# Altium PCB e-puck3-coreboard.PcbDoc (part 5 of 7)
Units mm, origin at the board's own origin, x right, y up, seen from the top; angles counter-clockwise.
Board outline 42.5 x 39.5 mm, 10 copper layers (Top Layer, Top GND Plane, Top Mid Layer 1, Top Mid Layer 2, Mid GND Plane, Bot Mid Layer 3, Bot Mid Layer 2, Bot Mid Layer 1, Bot GND Plane, Bottom Layer), stack 1.366 mm thick; 292 components, 337 nets, 1581 pads, 7018 vias.
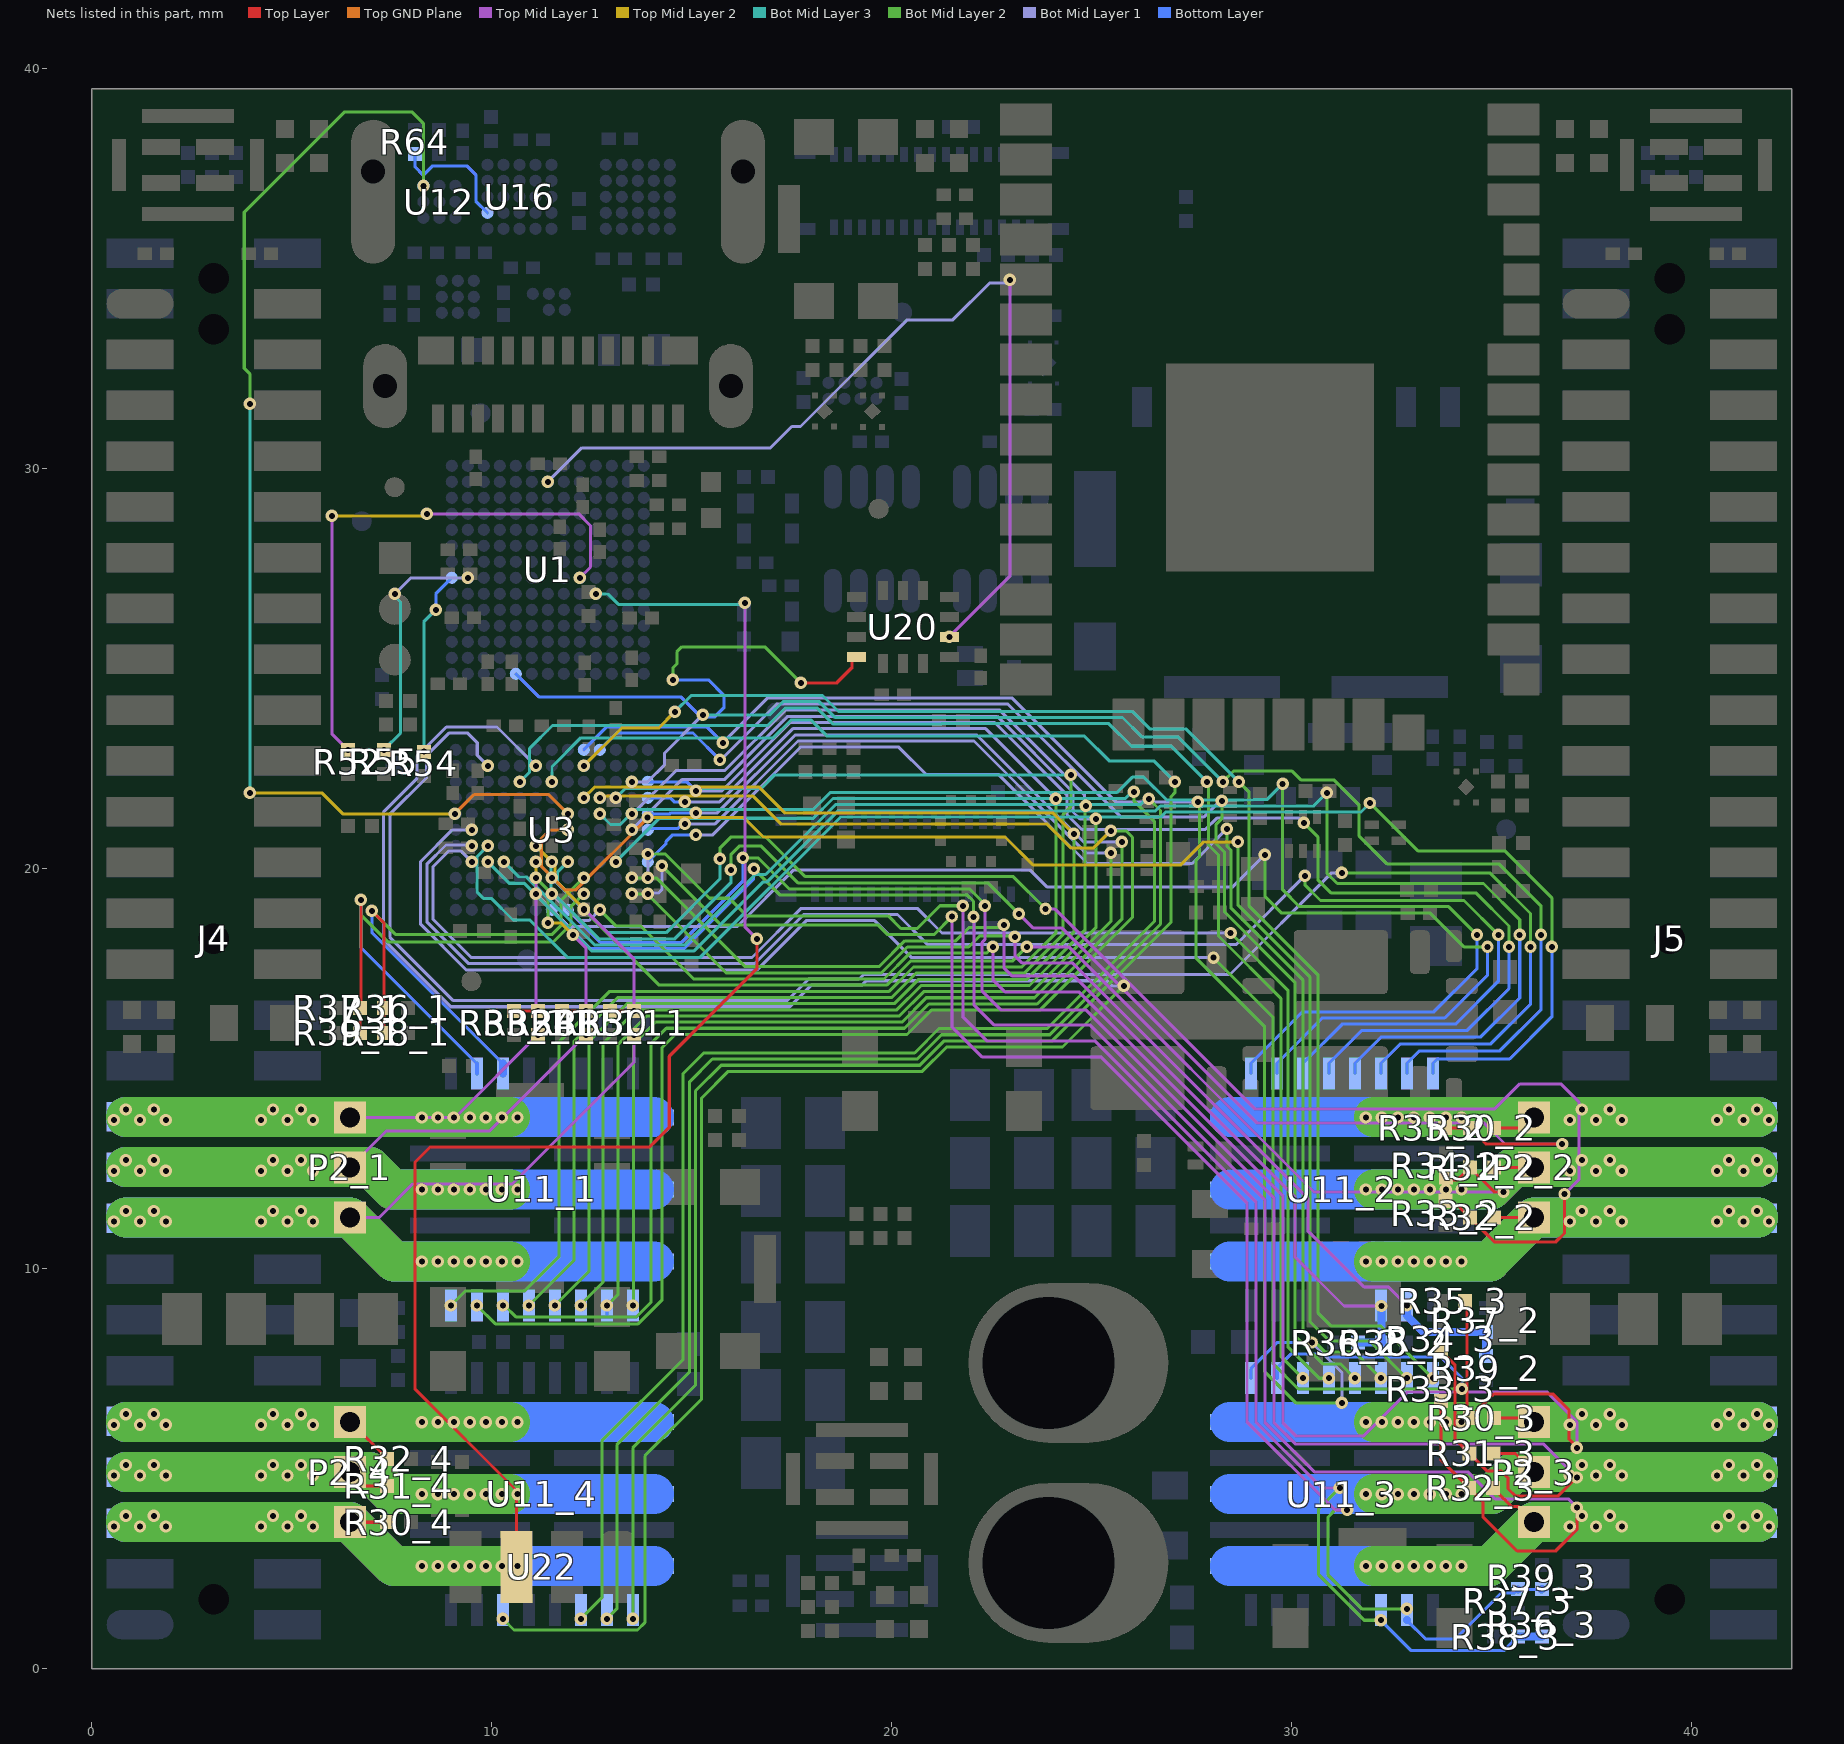
[diagram p13: the nets of this part, all layers, seen from the top]

## Via types
v1: diameter 0.304, hole 0.15, Bot GND Plane to Bottom Layer, 1160 vias
v2: diameter 0.304, hole 0.15, Bot Mid Layer 1 to Bot GND Plane, 1106 vias
v3: diameter 0.304, hole 0.15, Bot Mid Layer 2 to Bot Mid Layer 1, 1042 vias
v4: diameter 0.304, hole 0.15, Bot Mid Layer 3 to Bot Mid Layer 2, 765 vias
v5: diameter 0.304, hole 0.15, Mid GND Plane to Bot Mid Layer 3, 706 vias
v6: diameter 0.304, hole 0.15, Top Mid Layer 2 to Mid GND Plane, 706 vias
v7: diameter 0.304, hole 0.15, Top Mid Layer 1 to Top Mid Layer 2, 585 vias
v8: diameter 0.304, hole 0.15, Top GND Plane to Top Mid Layer 1, 493 vias
v9: diameter 0.304, hole 0.15, Top Layer to Top GND Plane, 343 vias
v10: diameter 0.304/0.15/0.15/0.15/0.15/0.15/0.15/0.15/0.15/0.304 (per signal layer), hole 0.15, Top Layer to Bottom Layer, 39 vias
v11: diameter 0.304/0.304/0.15/0.15/0.304/0.15/0.15/0.15/0.304/0.304 (per signal layer), hole 0.15, Top Layer to Bottom Layer, 38 vias
v12: diameter 0.304/0.15/0.304/0.15/0.304/0.304/0.15/0.15/0.304/0.304 (per signal layer), hole 0.15, Top Layer to Bottom Layer, 10 vias
v13: diameter 0.304/0.304/0.15/0.15/0.15/0.15/0.15/0.15/0.15/0.304 (per signal layer), hole 0.15, Top Layer to Bottom Layer, 8 vias
v14: diameter 0.304/0.304/0.15/0.15/0.304/0.15/0.15/0.15/0.15/0.304 (per signal layer), hole 0.15, Top Layer to Bottom Layer, 4 vias
v15: diameter 0.304/0.304/0.15/0.15/0.304/0.15/0.15/0.15/0.304/0.15 (per signal layer), hole 0.15, Top Layer to Bottom Layer, 4 vias
v16: diameter 0.304/0.15/0.304/0.304/0.304/0.304/0.15/0.304/0.304/0.304 (per signal layer), hole 0.15, Top Layer to Bottom Layer, 2 vias
v17: diameter 0.304/0.15/0.15/0.15/0.304/0.15/0.15/0.15/0.304/0.304 (per signal layer), hole 0.15, Top Layer to Bottom Layer, 2 vias
v18: diameter 0.304/0.15/0.15/0.15/0.15/0.15/0.15/0.304/0.15/0.304 (per signal layer), hole 0.15, Top Layer to Bottom Layer, 1 vias
v19: diameter 0.304/0.15/0.304/0.15/0.15/0.304/0.15/0.15/0.15/0.304 (per signal layer), hole 0.15, Top Layer to Bottom Layer, 1 vias
v20: diameter 0.304/0.15/0.15/0.15/0.304/0.15/0.15/0.15/0.15/0.304 (per signal layer), hole 0.15, Top Layer to Bottom Layer, 1 vias
v21: diameter 0.304/0.15/0.15/0.15/0.15/0.15/0.304/0.15/0.15/0.304 (per signal layer), hole 0.15, Top Layer to Bottom Layer, 1 vias
v22: diameter 0.304/0.15/0.304/0.15/0.15/0.15/0.15/0.15/0.15/0.304 (per signal layer), hole 0.15, Top Layer to Bottom Layer, 1 vias

## Nets (pads, with @x,y where several pads share a name; then routed paths per layer and width w, separated by ;. In a path a pad name is that pad's centre, name@x,y a point inside that pad or via, vN(x,y) a via of type N, cw(c..) or ccw(c..) an arc to the next point about the centre after c; other vN are vias at no path point) (continued)
I2C_USB.SDA_1: R64.2 U3.H5 U12.C3 U16.D5 | length 33.8
  Bot Mid Layer 2 w0.077: v4(3.95,31.625) 3.95,32.375 3.811,32.514 3.811,36.416 6.321,38.925 8,38.925 8.289,38.636 v3(8.289,37.075)
  Top GND Plane w0.077: v8(9.075,21.375) 9.562,21.862 11.413,21.862 v7(11.9,21.375)
  Top Mid Layer 2 w0.077: v6(3.95,21.9) 5.75,21.9 6.275,21.375 v8(9.075,21.375)
  Bot Mid Layer 3 w0.077: v6(3.95,21.9) v4(3.95,31.625)
  Bottom Layer w0.077: R64.2@8.075,37.875 8.075,37.557 8.289,37.343 ; v3(8.289,37.075) 8.289,37.343 ; 9.308,37.574 8.521,37.574 8.289,37.343 ; 9.308,37.575 9.375,37.575 9.6,37.35 9.6,36.693 U16.D5@9.893,36.4
  other v1: 11.9,21.375 8.289,37.075
  other v2: 11.9,21.375 8.289,37.075
  other v3: 11.9,21.375
  other v4: 11.9,21.375
  other v5: 11.9,21.375 3.95,21.9
  other v6: 11.9,21.375
  other v7: 9.075,21.375
  other v8: 11.9,21.375
IMU_INT1_1: U1.A5 U20.4 | length 13.6
  Top Layer w0.077: v9(17.725,24.65) 18.625,24.65 19,25.025 19,25.3 U20.4@19.113,25.3
  Bot Mid Layer 2 w0.077: v3(14.525,24.725) 14.525,25.022 14.625,25.122 14.625,25.425 14.75,25.55 16.825,25.55 v9(17.725,24.65)
  Bottom Layer w0.077: U1.A5@10.6,24.875 11.175,24.299 14.726,24.299 15.225,23.8 15.575,23.8 15.8,24.025 15.8,24.341 15.416,24.725 v1@14.5,24.725
  other v1: 14.525,24.725
  other v2: 14.525,24.725
  other v4: 17.725,24.65
  other v5: 17.725,24.65
  other v6: 17.725,24.65
  other v7: 17.725,24.65
  other v8: 17.725,24.65
IMU_INT2_1: U1.N7 U20.9 | length 23.2
  Top Mid Layer 1 w0.077: v9(21.438,25.8) 22.95,27.312 v7(22.95,34.725)
  Bot Mid Layer 1 w0.077: v2(11.4,29.675) 12.25,30.525 16.968,30.525 17.501,31.058 17.719,31.058 20.386,33.725 21.525,33.725 22.443,34.643 22.868,34.643 v7(22.95,34.725)
  other v1: 11.4,29.675
  other v3: 22.95,34.725
  other v4: 22.95,34.725
  other v5: 22.95,34.725
  other v6: 22.95,34.725
  other v8: 21.438,25.8
IR_SIGNAL_1: U1.F10 U22.3 | length 35.9
  Top Layer w0.077: U22.3@10.615,2.55 10.615,4.46 8.075,7 8.075,12.656 8.469,13.05 13.95,13.05 14.436,13.536 14.436,15.311 16.625,17.5 v9(16.625,18.25)
  Top Mid Layer 1 w0.077: v7(16.325,26.65) 16.325,18.55 v9(16.625,18.25)
  Bot Mid Layer 3 w0.077: v4(12.6,26.875) 12.9,26.875 13.164,26.611 16.286,26.611 v7(16.325,26.65)
  other v1: 12.6,26.875
  other v2: 12.6,26.875
  other v3: 12.6,26.875
  other v5: 16.325,26.65
  other v6: 16.325,26.65
  other v8: 16.625,18.25
LEFT_RGB.B_1: R55.1 U1.G2 | length 6.1
  Bot Mid Layer 1 w0.077: v3@7.575,26.872 7.978,27.275 v2(9.4,27.275)
  Bot Mid Layer 3 w0.077: v9(7.3,22.975) 7.718,23.393 7.718,26.671 7.575,26.814 v4(7.575,26.875)
  other v1: 9.4,27.275
  other v3: 7.575,26.875
  other v5: 7.3,22.975
  other v6: 7.3,22.975
  other v7: 7.3,22.975
  other v8: 7.3,22.975
LEFT_RGB.G_1: R54.1 U1.G1 | length 4.6
  Bot Mid Layer 3 w0.077: v9(8.3,22.939) 8.3,26.175 v3(8.6,26.475)
  Bottom Layer w0.077: v3(8.6,26.475) 8.6,26.875 U1.G1@9,27.275
  other v1: 8.6,26.475
  other v2: 8.6,26.475
  other v4: 8.6,26.475
  other v5: 8.3,22.939
  other v6: 8.3,22.939
  other v7: 8.3,22.939
  other v8: 8.3,22.939
LEFT_RGB.R_1: R52.1 U1.G9 | length 14
  Top Mid Layer 1 w0.077: v7(6,28.825) 6,23.375 v9(6.4,22.975) ; v7(8.375,28.875) 12.173,28.875 12.468,28.58 12.468,27.542 v4(12.2,27.275)
  Top Mid Layer 2 w0.077: v7(6,28.825) 8.325,28.825 v7(8.375,28.875)
  other v1: 12.2,27.275
  other v2: 12.2,27.275
  other v3: 12.2,27.275
  other v5: 12.2,27.275
  other v6: 12.2,27.275
  other v7: 12.2,27.275
  other v8: 6.4,22.975
Motor1.Phase1_1: J4.17 J4.18 P2_1.1 R30_1.1 U11_1.9 U11_1.26 | length 43.2
  Top Mid Layer 1 w0.077: P2_1.1@6.45,11.285 7.185,11.285 8.025,12.125 10.515,12.125 13.55,15.16 v9(13.55,15.85)
  Bot Mid Layer 2 w1: 0.85,11.285 1.55,11.285 5.233,11.285 P2_1.1@6.45,11.285 7.55,10.185 v3(8.25,10.185) v3(9.85,10.185) v3(10.25,10.185) 10.45,10.185
  Bot Mid Layer 1 w1: 0.85,11.285 P2_1.1@6.45,11.285 7.55,10.185 v3(8.25,10.185) v3(9.05,10.185) v3(9.85,10.185) v3(10.25,10.185) 10.45,10.185
  Bottom Layer w1: J4.17@0.85,11.285 4.533,11.285 5.233,11.285 P2_1.1@6.45,11.285 7.55,10.185 v3(8.25,10.185) v3(9.05,10.185) v3(9.85,10.185) v3(10.25,10.185) v3(10.646,10.185) U11_1.26@14.05,10.185
  other v1: 8.25,10.185 8.65,10.185 9.05,10.185 9.45,10.185 9.85,10.185 10.25,10.185 10.646,10.185 0.55,11.18 1.209,11.18 1.85,11.18 4.233,11.18 4.892,11.18 5.533,11.18 0.85,11.445 1.55,11.445 4.533,11.445 5.233,11.445
  other v2: 8.25,10.185 8.65,10.185 9.05,10.185 9.45,10.185 9.85,10.185 10.25,10.185 10.646,10.185 0.55,11.18 1.209,11.18 1.85,11.18 4.233,11.18 4.892,11.18 5.533,11.18 0.85,11.445 1.55,11.445 4.533,11.445 5.233,11.445
  other v3: 8.65,10.185 9.45,10.185 0.55,11.18 1.209,11.18 1.85,11.18 4.233,11.18 4.892,11.18 5.533,11.18 0.85,11.445 1.55,11.445 4.533,11.445 5.233,11.445
  other v8: 13.55,15.85
Motor1.Phase2_1: J4.19 J4.20 P2_1.2 R31_1.1 U11_1.11 U11_1.24 | length 40.4
  Top Mid Layer 1 w0.077: P2_1.2@6.45,12.535 7.365,13.45 9.95,13.45 v9(12.35,15.85)
  Bot Mid Layer 2 w1: 0.85,12.55 4.892,12.55 6.95,12.55 7.515,11.985 v3(8.25,11.985) v3(9.85,11.985) v3(10.25,11.985) 10.45,11.985
  Bot Mid Layer 1 w1: 0.85,12.55 1.55,12.55 5.233,12.55 6.95,12.55 7.515,11.985 v3(8.25,11.985) v3(9.85,11.985) v3(10.25,11.985) 10.45,11.985
  Bottom Layer w1: J4.19@0.85,12.55 6.95,12.55 7.515,11.985 v3(8.25,11.985) v3(9.45,11.985) v3(9.85,11.985) v3(10.25,11.985) v3(10.646,11.985) U11_1.24@14.05,11.985
  other v1: 8.25,11.985 8.65,11.985 9.05,11.985 9.45,11.985 9.85,11.985 10.25,11.985 10.646,11.985 0.55,12.45 1.209,12.45 1.85,12.45 4.233,12.45 4.892,12.45 5.533,12.45 0.85,12.715 1.55,12.715 4.533,12.715 5.233,12.715
  other v2: 8.25,11.985 8.65,11.985 9.05,11.985 9.45,11.985 9.85,11.985 10.25,11.985 10.646,11.985 0.55,12.45 1.209,12.45 1.85,12.45 4.233,12.45 4.892,12.45 5.533,12.45 0.85,12.715 1.55,12.715 4.533,12.715 5.233,12.715
  other v3: 8.65,11.985 9.05,11.985 0.55,12.45 1.209,12.45 1.85,12.45 4.233,12.45 4.892,12.45 5.533,12.45 0.85,12.715 1.55,12.715 4.533,12.715 5.233,12.715
  other v8: 12.35,15.85
Motor1.Phase3_1: J4.21 J4.22 P2_1.3 R32_1.1 U11_1.13 U11_1.22 | length 38
  Top Mid Layer 1 w0.077: P2_1.3@6.45,13.785 9.085,13.785 v9(11.15,15.85)
  Bot Mid Layer 2 w1: 0.85,13.795 5.233,13.795 10.45,13.795
  Bot Mid Layer 1 w1: 0.85,13.795 4.533,13.795 5.233,13.795 9.45,13.795 10.45,13.795
  Bottom Layer w1: J4.21@0.85,13.795 4.892,13.795 6.45,13.795 9.85,13.795 U11_1.22@14.05,13.795
  other v1: 0.55,13.72 1.209,13.72 1.85,13.72 4.233,13.72 4.892,13.72 5.533,13.72 8.25,13.785 8.65,13.785 9.05,13.785 9.45,13.785 9.85,13.785 10.25,13.785 10.646,13.785 0.85,13.985 1.55,13.985 4.533,13.985 5.233,13.985
  other v2: 0.55,13.72 1.209,13.72 1.85,13.72 4.233,13.72 4.892,13.72 5.533,13.72 8.25,13.785 8.65,13.785 9.05,13.785 9.45,13.785 9.85,13.785 10.25,13.785 10.646,13.785 0.85,13.985 1.55,13.985 4.533,13.985 5.233,13.985
  other v3: 0.55,13.72 1.209,13.72 1.85,13.72 4.233,13.72 4.892,13.72 5.533,13.72 8.25,13.785 8.65,13.785 9.05,13.785 9.45,13.785 9.85,13.785 10.25,13.785 10.646,13.785 0.85,13.985 1.55,13.985 4.533,13.985 5.233,13.985
  other v8: 11.15,15.85
Motor2.Phase1_1: J5.21 J5.22 P2_2.1 R30_2.1 U11_2.9 U11_2.26 | length 33.5
  Top Layer w0.077: R30_2.1@35.05,13.525 35.79,13.525 P2_2.1@36.05,13.785
  Bot Mid Layer 2 w1: 32.05,13.795 33.45,13.795 34.246,13.795 40.933,13.795 41.65,13.795
  Bot Mid Layer 1 w1: 32.05,13.795 32.65,13.795 36.95,13.795 41.65,13.795
  Bottom Layer w1: U11_2.26@28.45,13.795 32.25,13.795 37.25,13.795 J5.22@41.65,13.795
  other v1: 36.95,13.72 37.608,13.72 38.25,13.72 40.633,13.72 41.291,13.72 41.933,13.72 31.85,13.785 32.25,13.785 32.65,13.785 33.05,13.785 33.45,13.785 33.85,13.785 34.246,13.785 37.25,13.985 37.95,13.985 40.933,13.985 41.633,13.985
  other v2: 36.95,13.72 37.608,13.72 38.25,13.72 40.633,13.72 41.291,13.72 41.933,13.72 31.85,13.785 32.25,13.785 32.65,13.785 33.05,13.785 33.45,13.785 33.85,13.785 34.246,13.785 37.25,13.985 37.95,13.985 40.933,13.985 41.633,13.985
  other v3: 36.95,13.72 37.608,13.72 38.25,13.72 40.633,13.72 41.291,13.72 41.933,13.72 31.85,13.785 32.25,13.785 32.65,13.785 33.05,13.785 33.45,13.785 33.85,13.785 34.246,13.785 37.25,13.985 37.95,13.985 40.933,13.985 41.633,13.985
Motor2.Phase2_1: J5.19 J5.20 P2_2.2 R31_2.1 U11_2.11 U11_2.24 | length 34.1
  Top Layer w0.077: R31_2.1@35.05,12.535 P2_2.2@36.05,12.535
  Bot Mid Layer 2 w1: 32.05,11.985 v3(32.25,11.985) v3(32.65,11.985) v3(33.05,11.985) 34.985,11.985 35.55,12.55 40.633,12.55 41.65,12.55
  Bot Mid Layer 1 w1: 32.05,11.985 v3(32.25,11.985) v3(32.65,11.985) v3(33.05,11.985) v3(34.246,11.985) 34.985,11.985 35.55,12.55 41.291,12.55 41.65,12.55
  Bottom Layer w1: U11_2.24@28.45,11.985 U11_2.24@29.45,11.985 v3(32.25,11.985) v3(32.65,11.985) v3(33.05,11.985) 34.985,11.985 35.55,12.55 40.933,12.55 41.291,12.55 J5.20@41.65,12.55
  other v1: 31.85,11.985 32.25,11.985 32.65,11.985 33.05,11.985 33.45,11.985 33.85,11.985 34.246,11.985 36.95,12.45 37.608,12.45 38.25,12.45 40.633,12.45 41.291,12.45 41.933,12.45 37.25,12.715 37.95,12.715 40.933,12.715 41.633,12.715
  other v2: 31.85,11.985 32.25,11.985 32.65,11.985 33.05,11.985 33.45,11.985 33.85,11.985 34.246,11.985 36.95,12.45 37.608,12.45 38.25,12.45 40.633,12.45 41.291,12.45 41.933,12.45 37.25,12.715 37.95,12.715 40.933,12.715 41.633,12.715
  other v3: 31.85,11.985 33.45,11.985 33.85,11.985 36.95,12.45 37.608,12.45 38.25,12.45 40.633,12.45 41.291,12.45 41.933,12.45 37.25,12.715 37.95,12.715 40.933,12.715 41.633,12.715
Motor2.Phase3_1: J5.17 J5.18 P2_2.3 R32_2.1 U11_2.13 U11_2.22 | length 34.8
  Top Layer w0.077: R32_2.1@35.05,11.285 P2_2.3@36.05,11.285
  Bot Mid Layer 2 w1: 32.05,10.185 v3(32.25,10.185) v3(32.65,10.185) v3(33.05,10.185) v3(34.246,10.185) 34.95,10.185 P2_2.3@36.05,11.285 40.633,11.285 41.291,11.285 41.65,11.285
  Bot Mid Layer 1 w1: 32.05,10.185 v3(32.25,10.185) v3(32.65,10.185) v3(33.05,10.185) v3(34.246,10.185) 34.95,10.185 P2_2.3@36.05,11.285 40.633,11.285 41.291,11.285 41.65,11.285
  Bottom Layer w1: U11_2.22@28.45,10.185 v3(31.85,10.185) v3(32.25,10.185) v3(32.65,10.185) v3(33.05,10.185) 34.95,10.185 P2_2.3@36.05,11.285 38.25,11.285 40.933,11.285 41.291,11.285 J5.18@41.65,11.285
  other v1: 31.85,10.185 32.25,10.185 32.65,10.185 33.05,10.185 33.45,10.185 33.85,10.185 34.246,10.185 36.95,11.18 37.608,11.18 38.25,11.18 40.633,11.18 41.291,11.18 41.933,11.18 37.25,11.445 37.95,11.445 40.933,11.445 41.633,11.445
  other v2: 31.85,10.185 32.25,10.185 32.65,10.185 33.05,10.185 33.45,10.185 33.85,10.185 34.246,10.185 36.95,11.18 37.608,11.18 38.25,11.18 40.633,11.18 41.291,11.18 41.933,11.18 37.25,11.445 37.95,11.445 40.933,11.445 41.633,11.445
  other v3: 33.45,10.185 33.85,10.185 36.95,11.18 37.608,11.18 38.25,11.18 40.633,11.18 41.291,11.18 41.933,11.18 37.25,11.445 37.95,11.445 40.933,11.445 41.633,11.445
Motor3.Phase1_1: J5.9 J5.10 P2_3.1 R30_3.1 U11_3.9 U11_3.26 | length 33.4
  Top Layer w0.077: R30_3.1@35.05,6.275 35.94,6.275 P2_3.1@36.05,6.165
  Bot Mid Layer 2 w1: 32.05,6.165 v3(32.25,6.165) v3(32.65,6.165) v3(33.05,6.165) P2_3.1@36.05,6.165 40.933,6.165 41.65,6.165
  Bot Mid Layer 1 w1: 32.05,6.165 v3(32.25,6.165) v3(32.65,6.165) v3(33.05,6.165) P2_3.1@36.05,6.165 37.25,6.165 37.95,6.165 41.65,6.165
  Bottom Layer w1: U11_3.26@28.45,6.165 U11_3.26@29.45,6.165 v3(32.25,6.165) v3(32.65,6.165) v3(33.05,6.165) P2_3.1@36.05,6.165 J5.10@41.65,6.165
  other v1: 36.95,6.1 37.608,6.1 38.25,6.1 40.633,6.1 41.291,6.1 41.933,6.1 31.85,6.165 32.25,6.165 32.65,6.165 33.05,6.165 33.45,6.165 33.85,6.165 34.246,6.165 37.25,6.365 37.95,6.365 40.933,6.365 41.633,6.365
  other v2: 36.95,6.1 37.608,6.1 38.25,6.1 40.633,6.1 41.291,6.1 41.933,6.1 31.85,6.165 32.25,6.165 32.65,6.165 33.05,6.165 33.45,6.165 33.85,6.165 34.246,6.165 37.25,6.365 37.95,6.365 40.933,6.365 41.633,6.365
  other v3: 36.95,6.1 37.608,6.1 38.25,6.1 40.633,6.1 41.291,6.1 41.933,6.1 31.85,6.165 33.45,6.165 33.85,6.165 34.246,6.165 37.25,6.365 37.95,6.365 40.933,6.365 41.633,6.365
Motor3.Phase2_1: J5.7 J5.8 P2_3.2 R31_3.1 U11_3.11 U11_3.24 | length 31.2
  Top Layer w0.077: R31_3.1@35.038,5.388 35.578,5.388 P2_3.2@36.05,4.915
  Bot Mid Layer 2 w1: 32.05,4.365 v3(32.25,4.365) v3(32.65,4.365) v3(33.05,4.365) 35.004,4.365 35.554,4.915 P2_3.2@36.05,4.915 41.291,4.915 41.65,4.915
  Bot Mid Layer 1 w1: 32.05,4.365 v3(32.25,4.365) v3(32.65,4.365) v3(33.05,4.365) v3(34.246,4.365) 35.004,4.365 35.554,4.915 P2_3.2@36.05,4.915 40.633,4.915 41.291,4.915 41.65,4.915
  Bottom Layer w1: U11_3.24@28.45,4.365 U11_3.24@29.45,4.365 v3(32.25,4.365) v3(32.65,4.365) v3(33.05,4.365) v3(34.246,4.365) 35.004,4.365 35.554,4.915 P2_3.2@36.05,4.915 J5.7@37.608,4.915 J5.7@38.25,4.915 ; J5.8@41.291,4.915 J5.8@41.65,4.915
  other v1: 31.85,4.365 32.25,4.365 32.65,4.365 33.05,4.365 33.45,4.365 33.85,4.365 34.246,4.365 36.95,4.83 37.608,4.83 38.25,4.83 40.633,4.83 41.291,4.83 41.933,4.83 37.25,5.095 37.95,5.095 40.933,5.095 41.633,5.095
  other v2: 31.85,4.365 32.25,4.365 32.65,4.365 33.05,4.365 33.45,4.365 33.85,4.365 34.246,4.365 36.95,4.83 37.608,4.83 38.25,4.83 40.633,4.83 41.291,4.83 41.933,4.83 37.25,5.095 37.95,5.095 40.933,5.095 41.633,5.095
  other v3: 31.85,4.365 33.45,4.365 33.85,4.365 36.95,4.83 37.608,4.83 38.25,4.83 40.633,4.83 41.291,4.83 41.933,4.83 37.25,5.095 37.95,5.095 40.933,5.095 41.633,5.095
Motor3.Phase3_1: J5.5 J5.6 P2_3.3 R32_3.1 U11_3.13 U11_3.22 | length 35.1
  Top Layer w0.077: R32_3.1@35.05,4.5 35.496,4.054 35.661,4.054 P2_3.3@36.05,3.665
  Bot Mid Layer 2 w1: 32.05,2.565 v3(32.25,2.565) v3(32.65,2.565) v3(33.05,2.565) 34.95,2.565 P2_3.3@36.05,3.665 40.933,3.665 41.65,3.665
  Bot Mid Layer 1 w1: 32.05,2.565 v3(32.25,2.565) v3(32.65,2.565) v3(33.05,2.565) 34.95,2.565 P2_3.3@36.05,3.665 40.633,3.665 41.291,3.665 41.65,3.665
  Bottom Layer w1: U11_3.22@28.45,2.565 v3(31.85,2.565) v3(32.25,2.565) v3(32.65,2.565) v3(33.05,2.565) 34.95,2.565 P2_3.3@36.05,3.665 40.933,3.665 41.291,3.665 J5.6@41.65,3.665
  other v1: 31.85,2.565 32.25,2.565 32.65,2.565 33.05,2.565 33.45,2.565 33.85,2.565 34.246,2.565 36.95,3.56 37.608,3.56 38.25,3.56 40.633,3.56 41.291,3.56 41.933,3.56 37.25,3.825 37.95,3.825 40.933,3.825 41.633,3.825
  other v2: 31.85,2.565 32.25,2.565 32.65,2.565 33.05,2.565 33.45,2.565 33.85,2.565 34.246,2.565 36.95,3.56 37.608,3.56 38.25,3.56 40.633,3.56 41.291,3.56 41.933,3.56 37.25,3.825 37.95,3.825 40.933,3.825 41.633,3.825
  other v3: 33.45,2.565 33.85,2.565 34.246,2.565 36.95,3.56 37.608,3.56 38.25,3.56 40.633,3.56 41.291,3.56 41.933,3.56 37.25,3.825 37.95,3.825 40.933,3.825 41.633,3.825
Motor4.Phase1_1: J4.5 J4.6 P2_4.1 R30_4.1 U11_4.9 U11_4.26 | length 34.7
  Top Layer w0.077: P2_4.1@6.45,3.665 R30_4.1@7.375,3.665
  Bot Mid Layer 2 w1: 0.85,3.665 4.892,3.665 5.233,3.665 P2_4.1@6.45,3.665 7.55,2.565 v3(8.65,2.565) v3(9.05,2.565) v3(9.45,2.565) 10.45,2.565
  Bot Mid Layer 1 w1: 0.85,3.665 5.533,3.665 P2_4.1@6.45,3.665 7.55,2.565 v3(8.65,2.565) v3(9.05,2.565) v3(9.45,2.565) 10.45,2.565
  Bottom Layer w1: J4.5@0.85,3.665 5.233,3.665 P2_4.1@6.45,3.665 7.55,2.565 v3(8.65,2.565) v3(9.05,2.565) v3(9.45,2.565) v3(9.85,2.565) U11_4.26@13.05,2.565 U11_4.26@14.05,2.565
  other v1: 8.25,2.565 8.65,2.565 9.05,2.565 9.45,2.565 9.85,2.565 10.25,2.565 10.646,2.565 0.55,3.56 1.209,3.56 1.85,3.56 4.233,3.56 4.892,3.56 5.533,3.56 0.85,3.825 1.55,3.825 4.533,3.825 5.233,3.825
  other v2: 8.25,2.565 8.65,2.565 9.05,2.565 9.45,2.565 9.85,2.565 10.25,2.565 10.646,2.565 0.55,3.56 1.209,3.56 1.85,3.56 4.233,3.56 4.892,3.56 5.533,3.56 0.85,3.825 1.55,3.825 4.533,3.825 5.233,3.825
  other v3: 8.25,2.565 10.25,2.565 10.646,2.565 0.55,3.56 1.209,3.56 1.85,3.56 4.233,3.56 4.892,3.56 5.533,3.56 0.85,3.825 1.55,3.825 4.533,3.825 5.233,3.825
Motor4.Phase2_1: J4.7 J4.8 P2_4.2 R31_4.1 U11_4.11 U11_4.24 | length 34.1
  Top Layer w0.077: P2_4.2@6.45,4.915 6.79,4.575 R31_4.1@7.375,4.575
  Bot Mid Layer 2 w1: 0.85,4.915 P2_4.2@6.45,4.915 6.946,4.915 7.496,4.365 v3(8.65,4.365) v3(9.05,4.365) v3(9.45,4.365) 10.45,4.365
  Bot Mid Layer 1 w1: 0.85,4.915 P2_4.2@6.45,4.915 6.946,4.915 7.496,4.365 v3(8.65,4.365) v3(9.05,4.365) v3(9.45,4.365) 10.45,4.365
  Bottom Layer w1: J4.7@0.85,4.915 J4.7@1.209,4.915 J4.8@4.892,4.915 P2_4.2@6.45,4.915 6.946,4.915 7.496,4.365 v3(8.65,4.365) v3(9.05,4.365) v3(9.45,4.365) U11_4.24@13.05,4.365 U11_4.24@14.05,4.365
  other v1: 8.25,4.365 8.65,4.365 9.05,4.365 9.45,4.365 9.85,4.365 10.25,4.365 10.646,4.365 0.55,4.83 1.209,4.83 1.85,4.83 4.233,4.83 4.892,4.83 5.533,4.83 0.85,5.095 1.55,5.095 4.533,5.095 5.233,5.095
  other v2: 8.25,4.365 8.65,4.365 9.05,4.365 9.45,4.365 9.85,4.365 10.25,4.365 10.646,4.365 0.55,4.83 1.209,4.83 1.85,4.83 4.233,4.83 4.892,4.83 5.533,4.83 0.85,5.095 1.55,5.095 4.533,5.095 5.233,5.095
  other v3: 8.25,4.365 9.85,4.365 10.25,4.365 10.646,4.365 0.55,4.83 1.209,4.83 1.85,4.83 4.233,4.83 4.892,4.83 5.533,4.83 0.85,5.095 1.55,5.095 4.533,5.095 5.233,5.095